# Altium PCB Copy of GameBoard_V1I1_083018.PcbDoc (part 18 of 21)
Units mil, origin at the board's own origin, x right, y up, seen from the top; angles counter-clockwise.
Board outline 7165.35 x 2763.78 mil, 12 copper layers (L1, L2, L3, L4, L5 (PWR), L6 (PWR), L7 (PWR), L8 (PWR), L9, L10, L11, L12), stack 61.575 mil thick; 1542 components, 1068 nets, 5447 pads, 3797 vias.
Unrouted connection lines stored in the file: 105.
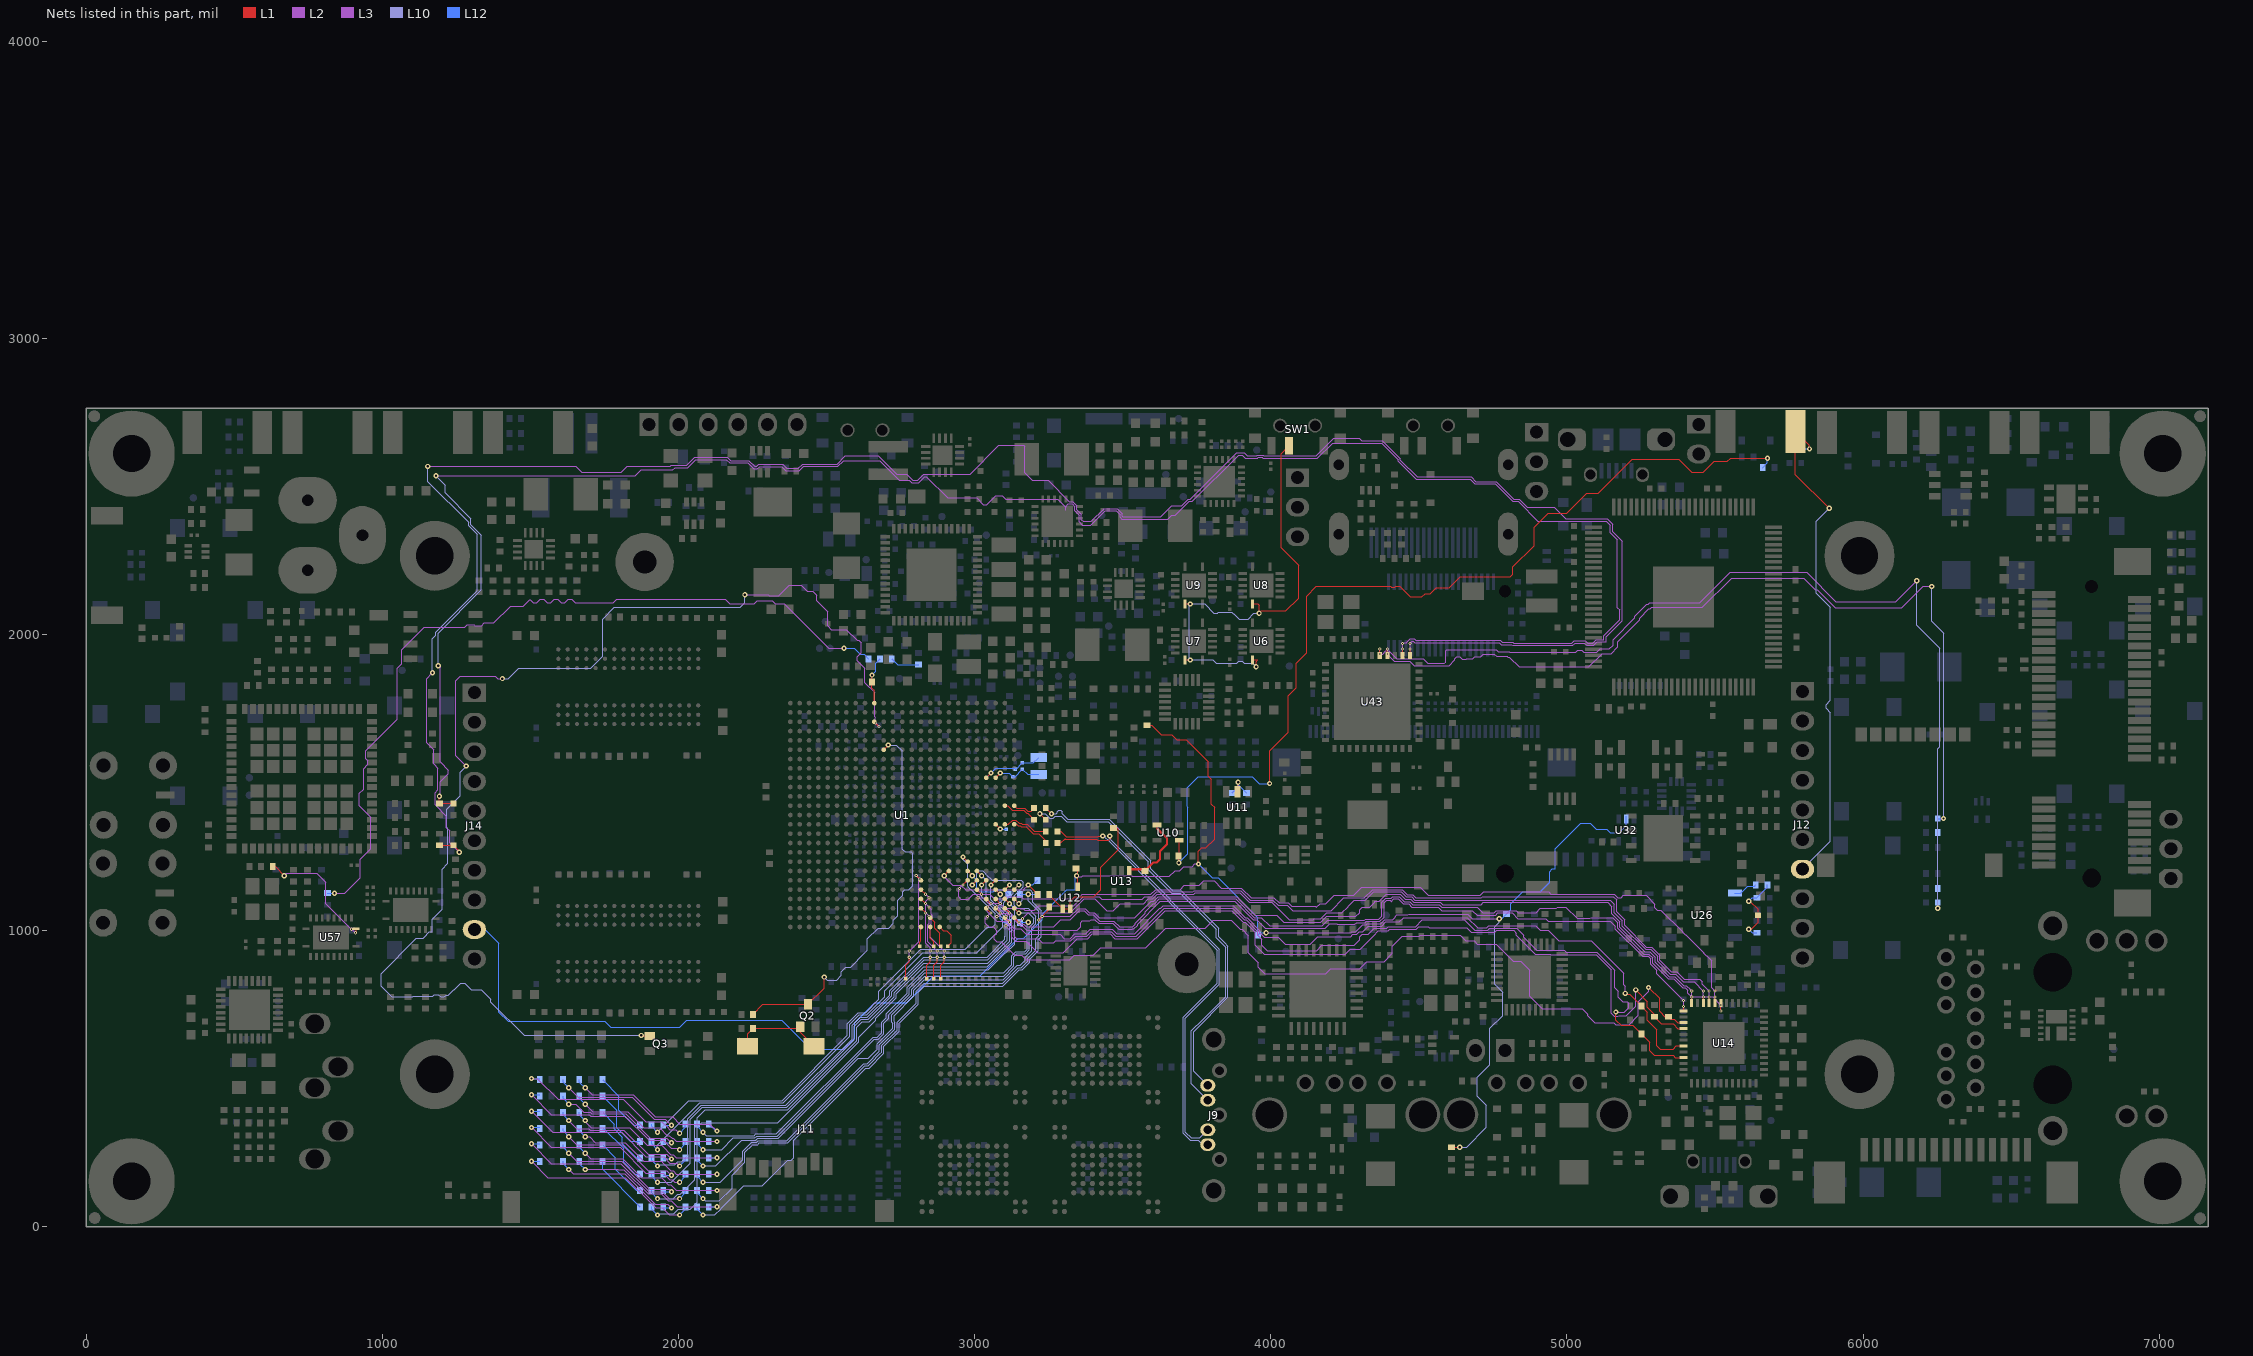
[diagram p28: the nets of this part, all layers, seen from the top]

## Via types
v1: diameter 17.72, hole 7.87, L1 to L12, 1936 vias
v2: diameter 17.72, hole 7.87, L1 to L12, tented both sides, 999 vias
v3: diameter 10.63, hole 3.94, L1 to L2, 337 vias
v4: diameter 10.63, hole 3.94, L2 to L3, 335 vias
v5: diameter 10.63, hole 3.94, L10 to L11, 96 vias
v6: diameter 10.63, hole 3.94, L11 to L12, 94 vias

## Nets (pads, with @x,y where several pads share a name; then routed paths per layer and width w, separated by ;. In a path a pad name is that pad's centre, name@x,y a point inside that pad or via, vN(x,y) a via of type N, cw(c..) or ccw(c..) an arc to the next point about the centre after c; other vN are vias at no path point) (continued)
RGMII_RXD1: R136.1 U1.B23 U14.31 | length 2799.2
  L1 w3.66: U1.B23@3102.36,1074.8 v3(3118.11,1059.06)
  L1 w3.94: v1(5196.85,787.4) 5199.8,784.45 5211.61,784.45 R136.1@5251.97,744.09 5271.65,724.41 5271.65,696.85 5303.15,665.35 5303.15,610.24 5314.96,598.43 5358.27,598.43 5369.68,609.84 U14.31@5394.09,609.84
  L3 w3.94: v4(3106.3,1047.24) 3106.3,1042.75 3125.39,1023.66 3125.39,1014.99 3134.69,1005.7 3155.72,1005.7 3174.21,987.2 3288.39,987.2 3303.15,972.44 3322.16,972.44 3337.91,988.19 3375.37,988.19 3391.11,1003.94 3464.41,1003.94 3480.16,988.19 3540.05,988.19 3625.98,1074.13 3628.01,1074.13 3636.56,1082.68 3874.13,1082.68 3913.5,1043.31 3919.91,1043.31 3963.58,999.63 3963.58,991.92 3978.14,977.36 4025.38,977.36 4049,953.74 4133.86,953.74 4159.45,979.33 4269.48,979.33 4277.35,987.2 4290.66,987.2 4298.54,995.08 4310.04,995.08 4329.72,1014.76 4375.21,1014.76 4388.99,1028.54 4434.06,1028.54 4448.82,1043.31 4664.16,1043.31 4698.61,1008.86 4729.33,1008.86 4736.22,1015.75 4894.89,1015.75 4910.64,1000 4937.01,1000 4972.44,964.57 5082.68,964.57 5191.93,855.31 5191.93,815.94 5196.85,811.02 v1(5196.85,787.4)
  L2 w3.94: v4(3106.3,1047.24) v3(3118.11,1059.06)
RGMII_RXD2: R135.1 U1.B24 U14.28 | length 2932.5
  L1 w3.66: U1.B24@3102.36,1043.31 v3(3118.11,1027.56)
  L1 w3.94: v1(5232.28,799.21) 5271.65,759.84 5271.65,740.16 5295.28,716.54 R135.1@5295.28,708.66 5318.9,685.04 5358.27,685.04 5374.41,668.9 U14.28@5394.09,668.9
  L3 w3.94: v4(3106.3,1015.75) 3106.3,1011.81 3122.05,996.06 3122.05,995.51 3125.39,992.16 3125.39,977.64 3139.46,963.58 3174.21,963.58 3212.6,925.2 3299.21,925.2 3346.46,972.44 3381.89,972.44 3397.64,988.19 3457.89,988.19 3473.64,972.44 3548.6,972.44 3643.08,1066.93 3867.61,1066.93 3906.98,1027.56 3913.39,1027.56 3947.83,993.11 3947.83,950.4 3977.96,920.28 4252.18,920.28 4268.7,936.8 4302.94,936.8 4347.44,981.3 4347.44,982.49 4363.3,998.35 4396.66,998.35 4402.25,1003.94 4491.45,1003.94 4499.32,1011.81 4531.5,1011.81 4534.45,1008.86 4661.42,1008.86 4677.17,993.11 4756.89,993.11 4763.78,1000 4820.09,1000 4829.72,990.37 4829.72,983.21 4892.66,920.28 4943.12,920.28 4946.08,917.32 5099.1,917.32 5149.61,866.82 5149.61,720.47 5150.59,719.49 5150.59,718.29 5159.24,709.65 5171.47,709.65 5174.42,712.6 5200.79,712.6 5232.28,744.09 v1(5232.28,799.21)
  L2 w3.94: v4(3106.3,1015.75) v3(3118.11,1027.56)
RGMII_RXD3: R134.1 U1.D23 U14.27 | length 3085.8
  L1 w3.66: U1.D23@3039.37,1074.8 v3(3055.12,1059.06)
  L1 w3.94: v1(5275.59,807.09) 5276.78,807.09 5312.99,770.88 5312.99,726.38 5330.71,708.66 R134.1@5342.52,708.66 5350.39,700.79 5362.2,700.79 5374.41,688.58 U14.27@5394.09,688.58
  L3 w3.94: v4(3043.31,1047.24) 3035.43,1039.37 3035.43,1023.62 3047.24,1011.81 3062.22,1011.81 3074.8,999.23 3074.8,989.38 3066.93,981.51 3066.93,969.44 3074.8,961.57 3089.74,961.57 3134.97,916.34 3159.66,916.34 3174.42,901.57 3321.64,901.57 3336.4,916.34 3400.59,916.34 3425.2,940.94 3578.74,940.94 3644.99,1007.2 3778.85,1007.2 3806.41,1034.76 3866.37,1034.76 3897.19,1003.94 3902.93,1003.94 3924.21,982.65 3924.21,924.43 3957.68,890.96 3957.68,875.77 3980.1,853.35 4185.04,853.35 4202.76,871.06 4300.97,871.06 4324.59,894.68 4382.87,894.68 4410.43,922.24 4410.43,945.99 4444.76,980.31 4501.23,980.31 4505.17,984.25 4639.15,984.25 4658.83,964.57 4686.39,964.57 4697.22,953.74 4761.86,953.74 4818.95,896.65 4844.7,896.65 4875,866.35 4875,778.02 4916.8,736.22 5051.18,736.22 5070.87,716.54 5070.87,712.6 5094.49,688.98 5157.48,688.98 5164.37,682.09 5209.65,682.09 5240.42,712.86 5240.42,759.58 5275.59,794.76 v1(5275.59,807.09)
  L2 w3.94: v4(3043.31,1047.24) v3(3055.12,1059.06)
RGMII_RXDV: R132.1 U1.D22 U14.33 | length 3029.2
  L1 w3.66: U1.D22@3039.37,1106.3 v3(3055.12,1090.55)
  L1 w3.94: v1(5165.35,724.41) 5165.35,696.85 5183.07,679.13 5222.44,679.13 R132.1@5251.97,649.61 5279.53,622.05 5279.53,594.49 5295.28,578.74 5358.27,578.74 5366.54,570.47 U14.33@5394.09,570.47
  L3 w3.94: v4(3043.31,1078.74) 3043.31,1063.11 3054.53,1051.89 3054.53,1051.65 3074.68,1031.5 3106.42,1031.5 3117.52,1020.4 3117.52,1011.73 3133.86,995.39 3133.86,980.31 3142.72,971.46 3214.26,971.46 3228.04,957.68 3267.51,957.68 3274.4,964.57 3325.42,964.57 3341.17,980.31 3378.63,980.31 3394.38,996.06 3461.15,996.06 3476.9,980.31 3545.33,980.31 3639.82,1074.8 3870.87,1074.8 3910.24,1035.43 3916.65,1035.43 3955.71,996.37 3955.71,984.25 3969.49,970.47 3969.49,950.58 3987.98,932.09 4154.68,932.09 4172.4,949.8 4281.71,949.8 4300.2,968.29 4300.2,978.56 4308.85,987.2 4329.88,987.2 4349.57,1006.89 4390.96,1006.89 4396.86,1012.8 4489.17,1012.8 4511.81,1035.43 4653.54,1035.43 4687.99,1000.98 4732.59,1000.98 4739.48,1007.87 4830.71,1007.87 4854.33,984.25 4854.33,976.38 4897.64,933.07 4990.93,933.07 4997.82,926.18 5101.38,926.18 5161.42,866.14 5161.42,806.41 5173.23,794.6 5173.23,774.4 5188.77,758.86 5204.51,758.86 5208.66,754.71 5208.66,738.96 5194.11,724.41 v1(5165.35,724.41)
  L2 w3.94: v4(3043.31,1078.74) v3(3055.12,1090.55)
RGMII_TXCLK: R37.2 U14.24 | length 2621.3
  L1 w3.94: v3(3216.54,1035.43) 3251.97,1070.87 R37.2@3251.97,1078.74 ; U14.24@5421.26,755.12 v3(5421.26,775.59)
  L3 w3.94: v4(3228.35,1047.24) 3322.99,1047.24 3349.57,1073.82 3373.81,1073.82 3387.59,1060.04 3404.37,1060.04 3421.1,1043.31 3540.72,1043.31 3595.84,1098.43 3605.06,1098.43 3620.81,1114.17 3885.15,1114.17 3948.14,1051.18 4020.88,1051.18 4044.5,1027.56 4168.62,1027.56 4188.3,1047.24 4287.4,1047.24 4300.2,1060.04 4300.2,1069.11 4308.85,1077.76 4333.66,1077.76 4350.39,1094.49 4350.39,1099.25 4367.13,1099.25 4389.92,1122.05 4437.11,1122.05 4453.84,1105.31 4472.59,1105.31 4483.42,1094.49 4572.19,1094.49 4580.06,1086.61 4710.01,1086.61 4717.89,1094.49 5137.8,1094.49 5152.04,1080.24 5152.04,1056.78 5178.92,1029.89 5178.92,1011.4 5262.18,928.15 5280.35,928.15 5298.23,910.28 5298.23,892.1 5346.05,844.28 5364.54,844.28 5394.84,813.98 5403.08,813.98 5416.34,800.72 5416.34,800.2 v4(5421.26,795.28)
  L2 w3.94: v3(3216.54,1035.43) v4(3228.35,1047.24) ; v3(5421.26,775.59) v4(5421.26,795.28)
RGMII_TXD0: U1.C22 U14.19 | length 2954.4
  L1 w3.66: U1.C22@3070.87,1106.3 v3(3086.61,1090.55)
  L1 w3.94: v3(5519.69,728.35) U14.19@5519.69,755.12
  L3 w3.94: v4(3074.8,1078.74) 3087.21,1066.34 3114.21,1066.34 3159.1,1021.44 3166.34,1021.44 3174.99,1012.8 3267.6,1012.8 3291.34,1036.54 3323.42,1036.54 3352.83,1065.94 3369.56,1065.94 3383.34,1052.17 3401.11,1052.17 3421.78,1031.5 3470.26,1031.5 3489.94,1011.81 3529.59,1011.81 3530.57,1012.8 3533.67,1012.8 3542.32,1021.44 3542.32,1024.55 3576.15,1058.38 3576.15,1062.99 3603.71,1090.55 3608.33,1090.55 3624.07,1106.3 3881.89,1106.3 3944.88,1043.31 3968.5,1043.31 3996.06,1015.75 4173.23,1015.75 4191.93,1034.45 4316,1034.45 4319.94,1038.39 4365.16,1038.39 4375,1048.23 4375,1095.99 4388.26,1109.25 4407.01,1109.25 4407.4,1108.86 4412.71,1114.17 4433.85,1114.17 4450.58,1097.44 4469.33,1097.44 4480.16,1086.61 4568.92,1086.61 4576.8,1078.74 4696.85,1078.74 4715.55,1060.04 4754.92,1060.04 4761.81,1066.93 4829.51,1066.93 4836.4,1060.04 4895.88,1060.04 4910.64,1074.8 4964.57,1074.8 4968.5,1078.74 4996.06,1078.74 5034.45,1040.35 5076.98,1040.35 5079.93,1043.31 5154.38,1043.31 5171.05,1026.63 5171.05,1008.14 5258.92,920.28 5277.09,920.28 5290.35,907.01 5290.35,888.84 5342.79,836.4 5361.28,836.4 5391.58,806.1 5399.82,806.1 5408.46,797.45 5408.46,788.39 5421.26,775.59 5492.13,775.59 v4(5519.69,748.03)
  L2 w3.94: v4(3074.8,1078.74) v3(3086.61,1090.55) ; v3(5519.69,728.35) v4(5519.69,748.03)
RGMII_TXD1: U1.F20 U14.20 | length 2998.3
  L1 w3.66: v3(2960.63,1153.54) U1.F20@2976.38,1169.29
  L1 w3.94: U14.20@5500,755.12 v3(5500,775.59)
  L3 w3.94: v4(2948.82,1141.73) 2945.87,1138.78 2945.87,1113.19 2953.74,1105.31 2979.33,1105.31 2996.06,1122.05 3051.18,1122.05 3065.94,1107.28 3092.73,1107.28 3099.62,1114.17 3158,1114.17 3164.89,1107.28 3348.79,1107.28 3363.56,1122.05 3429.13,1122.05 3595.28,1122.05 3611.03,1137.8 3693.56,1137.8 3708.33,1152.56 3759.02,1152.56 3773.76,1167.3 3809.08,1167.3 3833.66,1142.72 3901.15,1142.72 3933.63,1110.24 4010.46,1110.24 4027.92,1092.77 4059.02,1092.77 4070.1,1081.69 4150.43,1081.69 4154.12,1078.01 4166.66,1090.55 4186.39,1090.55 4213.95,1118.11 4279.53,1118.11 4307.09,1145.67 4503.94,1145.67 4531.5,1118.11 4708.1,1118.11 4719.91,1129.92 4938.34,1129.92 4946.22,1122.05 5160.22,1122.05 5171.05,1111.22 5183.28,1111.22 5190.17,1118.11 5267.72,1118.11 5296.65,1089.18 5296.26,1088.79 5296.26,1076.56 5304.91,1067.91 5317.14,1067.91 5317.53,1068.3 5390.75,995.08 5390.75,993.88 5399.4,985.24 5400.59,985.24 5461.61,924.21 5461.61,923.02 5470.26,914.37 5471.46,914.37 5488.19,897.64 5488.19,807.09 v4(5500,795.28)
  L2 w3.94: v4(2948.82,1141.73) v3(2960.63,1153.54) ; v3(5500,775.59) v4(5500,795.28)
RGMII_TXD2: U1.E21 U14.21 | length 2852.8
  L1 w3.66: U1.E21@3007.87,1137.8 v3(3023.62,1122.05)
  L1 w3.94: U14.21@5480.32,755.12 v3(5480.32,775.59)
  L3 w3.94: v4(3011.81,1110.24) 3027.44,1110.24 3046.14,1091.54 3085.63,1091.54 3102.36,1074.8 3153.54,1074.8 3154.53,1073.82 3163.6,1073.82 3169.89,1067.52 3201.38,1067.52 3216.54,1082.68 3335.32,1082.68 3366.82,1114.17 3421.26,1114.17 3430.12,1105.31 3565.94,1105.31 3574.8,1114.17 3598.54,1114.17 3614.29,1129.92 3736.9,1129.92 3741.82,1134.84 3897.89,1134.84 3930.37,1102.36 4007.2,1102.36 4024.66,1084.9 4055.76,1084.9 4073.78,1066.87 4203.47,1066.87 4246.84,1110.24 4316.31,1110.24 4343.87,1137.8 4443.63,1137.8 4460.36,1121.06 4479.12,1121.06 4489.94,1110.24 4711.36,1110.24 4715.3,1114.17 5156.96,1114.17 5167.79,1103.35 5167.79,1063.3 5194.67,1036.42 5194.67,1017.93 5268.7,943.9 5286.88,943.9 5313.98,916.8 5313.98,898.62 5352.57,860.03 5371.06,860.03 5396.44,834.65 5448.82,834.65 5456.69,826.77 5456.69,818.9 v4(5480.32,795.28)
  L2 w3.94: v4(3011.81,1110.24) v3(3023.62,1122.05) ; v3(5480.32,775.59) v4(5480.32,795.28)
RGMII_TXD3: U1.A24 U14.22 | length 2700.7
  L1 w3.66: U1.A24@3133.86,1043.31 v3(3149.61,1027.56)
  L1 w3.94: U14.22@5460.63,755.12 v3(5460.63,775.59)
  L3 w3.94: v4(3161.42,1039.37) 3181.1,1059.06 3322.83,1059.06 3370.08,1106.3 3406.5,1106.3 3445.87,1066.93 3468.5,1066.93 3492.13,1090.55 3570.87,1090.55 3586.61,1106.3 3601.8,1106.3 3617.55,1122.05 3740.16,1122.05 3745.08,1126.97 3894.63,1126.97 3927.11,1094.49 4003.94,1094.49 4062.01,1036.42 4143.91,1036.42 4146.86,1039.37 4169.29,1039.37 4188.92,1059 4240.1,1059 4260.83,1079.72 4260.83,1080.92 4282.27,1102.36 4319.57,1102.36 4347.13,1129.92 4440.37,1129.92 4457.1,1113.19 4475.85,1113.19 4486.68,1102.36 5145.67,1102.36 5159.91,1088.12 5159.91,1060.04 5186.8,1033.16 5186.8,1014.66 5265.44,936.02 5283.62,936.02 5306.1,913.54 5306.1,895.36 5349.31,852.15 5367.8,852.15 5393.18,826.77 5429.13,826.77 v4(5460.63,795.28)
  L2 w3.94: v3(3149.61,1027.56) v4(3161.42,1039.37) ; v3(5460.63,775.59) v4(5460.63,795.28)
RGMII_TXEN: U1.C23 U14.25 | length 2783
  L1 w3.66: U1.C23@3070.87,1074.8 v3(3086.61,1059.06)
  L1 w3.94: U14.25@5394.09,727.95 v3(5394.09,743.7)
  L3 w3.94: v4(3074.8,1047.24) 3082.68,1047.24 3093.9,1058.46 3110.95,1058.46 3155.84,1013.57 3163.08,1013.57 3175.66,1000.98 3347.44,1000.98 3358.27,1011.81 3358.27,1026.44 3364.31,1032.48 3389.55,1032.48 3393.7,1036.63 3405.51,1036.63 3418.52,1023.62 3467,1023.62 3486.68,1003.94 3532.85,1003.94 3533.83,1004.92 3536.94,1004.92 3550.2,1018.18 3550.2,1021.29 3627.34,1098.43 3878.63,1098.43 3941.62,1035.43 3952.76,1035.43 3981.3,1006.89 3990.37,1006.89 3990.61,1006.65 4183.81,1006.65 4199.8,1022.64 4222.65,1022.64 4225.01,1020.28 4284.06,1020.28 4290.35,1026.57 4319.26,1026.57 4323.2,1030.51 4368.42,1030.51 4382.87,1044.97 4382.87,1092.73 4391.52,1101.38 4403.75,1101.38 4407.4,1097.73 4415.97,1106.3 4430.58,1106.3 4447.32,1089.57 4466.07,1089.57 4476.9,1078.74 4565.66,1078.74 4577.47,1066.93 4681.1,1066.93 4696.85,1051.18 4759.17,1051.18 4767.04,1059.06 4814.96,1059.06 4834.65,1039.37 4929.13,1039.37 4937.01,1031.5 5145.67,1031.5 5163.18,1013.99 5163.18,1004.88 5255.65,912.4 5273.83,912.4 5282.48,903.75 5282.48,885.58 5303.15,864.91 5303.15,854.33 v4(5394.09,763.39)
  L2 w3.94: v4(3074.8,1047.24) v3(3086.61,1059.06) ; v3(5394.09,743.7) v4(5394.09,763.39)
RST_BTN_HDR: J12.7 R425.1 R426.1 R427.2 SW23.2 | length 1822.7
  L1 w3.94: v1(5818.9,2625.98) 5818.9,2637.8 SW23.2@5771.65,2685.04 5771.65,2539.37 v1(5885.83,2425.2)
  L10 w3.94: J12.7@5795.28,1207.09 5889.76,1301.57 5889.76,1735.03 5875,1749.79 5875,1762.02 5889.76,1776.78 5889.76,2090.55 5842.52,2137.8 5842.52,2381.89 v1(5885.83,2425.2)
  L12 w3.94: R425.1@5791.34,2728.35 R427.2@5791.34,2625.98 v1(5818.9,2625.98)
RSTINn: R88.1 R429.2 U10.1 | length 3239.8
  L1 w3.94: v1(3689.85,1228.35) 3688.98,1229.22 R88.1@3688.98,1251.97 3690.94,1253.94 U10.1@3690.94,1305.12 ; v1(3996.06,1496.06) 3996.06,1606.3 4059.06,1669.29 4059.06,1792.53 4086.61,1820.09 4086.61,1902.77 4121.23,1937.39 4121.23,2129.11 4153.54,2161.42 4404.32,2161.42 4407.27,2158.46 4419.5,2158.46 4422.45,2161.42 4435.81,2161.42 4471.25,2125.98 4510.62,2125.98 4521.44,2136.81 4538.39,2136.81 4559.06,2157.48 4603.35,2157.48 4639.76,2193.9 4809.26,2193.9 4817.91,2202.55 4817.91,2227.36 4889.76,2299.21 4889.76,2362.2 4937.01,2409.45 5000,2409.45 5066.93,2476.38 5106.3,2476.38 5220.47,2590.55 5377.95,2590.55 5421.26,2547.24 5460.63,2547.24 5497.05,2583.66 5541.55,2583.66 5552.38,2594.49 v1(5677.17,2594.49)
  L12 w3.94: v1(3689.85,1228.35) 3720.47,1258.97 3720.47,1416.8 3717.52,1419.76 3717.52,1481.3 3755.91,1519.68 3938.27,1519.68 3961.89,1496.06 v1(3996.06,1496.06) ; R429.2@5661.42,2562.99 5677.17,2578.74 v1(5677.17,2594.49)
RSTINn_BUFF: R89.1 U10.4 U13.1 | length 260.8
  L1 w7.87: U13.1@3521.65,1206.69 R89.1@3576.77,1206.69 ; R89.1@3574.8,1208.66 R89.1@3576.77,1206.69 ; U10.4@3616.14,1356.3 3616.14,1344.49 3649.61,1311.02 3649.61,1291.34 3625.98,1267.72 3625.98,1240.16 3615.16,1229.33 3603.35,1229.33 3580.71,1206.69 R89.1@3576.77,1206.69
RSTOUTn: J14.9 R101.2 R189.2 R268.1 R271.2 R322.2 U12.4 U32.2 | length 6580.9
  L1 w3.94: R101.2@3342.52,1208.66 3348.43,1202.76 U12.4@3348.43,1147.64 ; R268.1@3582.68,1692.91 3598.43,1692.91 3629.92,1661.42 3665.35,1661.42 3682.58,1644.19 3714.07,1644.19 3789.37,1568.9 3789.37,1520.67 3799.21,1510.83 3799.21,1426.39 3810.04,1415.56 3810.04,1308.07 3780.41,1278.44 3766.63,1278.44 3755.91,1267.72 v1(3755.91,1224.41) ; R322.2@4610.24,267.72 v1(4637.8,267.72)
  L3 w3.94: v1(3344.49,1185.04) 3348.43,1181.1 3362.36,1181.1 3365.31,1184.06 3530.28,1184.06 3531.98,1182.36 3658.06,1182.36 3677.17,1201.46 3692.39,1201.46 3706.48,1215.55 3735.24,1215.55 3744.09,1224.41 v1(3755.91,1224.41) ; v1(3984.25,992.13) 4271.14,992.13 4274.09,995.08 4287.4,995.08 4311.02,1018.7 4322.53,1018.7 4326.46,1022.64 4371.95,1022.64 4385.73,1036.42 4411.63,1036.42 4420.28,1045.07 4420.28,1047.03 4425.41,1052.17 4462.81,1052.17 4465.76,1055.12 4665.35,1055.12 4681.1,1039.37 v1(4771.65,1039.37)
  L10 w3.94: v1(4637.8,267.72) 4661.42,267.72 4728.35,334.65 4728.35,409.45 4696.85,440.94 4696.85,503.94 4740.16,547.24 4740.16,669.29 4783.46,712.6 4783.46,791.34 4755.91,818.9 4755.91,1011.81 4771.65,1027.56 v1(4771.65,1039.37)
  L12 w3.94: J14.9@1330.71,1007.09 1343.31,1007.09 1393.7,956.69 1393.7,724.41 1425.2,692.91 1751.97,692.91 1771.65,673.23 2003.94,673.23 2027.56,696.85 2348.39,696.85 2446.82,598.43 2556.5,598.43 2594.49,636.41 2594.49,687.6 2662.79,755.91 2771.65,755.91 2862.2,846.46 3019.69,846.46 3145.67,972.44 3144.68,973.43 3166.34,973.43 3228.35,1035.43 3228.35,1055.39 3310.75,1137.8 3339.74,1137.8 3339.74,1180.3 v1(3344.49,1185.04) ; v1(3755.91,1224.41) 3803.15,1177.17 3822.16,1177.17 3956.69,1042.63 R271.2@3956.69,984.25 3964.57,992.13 v1(3984.25,992.13) ; v1(4771.65,1039.37) 4779.53,1039.37 R189.2@4795.28,1055.12 4810.53,1070.37 4810.53,1090.06 4850.39,1129.92 4909.45,1129.92 4941.93,1162.4 4941.93,1199.03 4950.58,1207.68 4959.65,1207.68 4960.63,1208.66 4960.63,1275.59 5047.24,1362.2 5078.74,1362.2 5099.41,1341.54 5134.84,1341.54 5145.67,1330.71 5177.17,1330.71 5200.79,1354.33 U32.2@5200.79,1375.98 U32.2@5200.79,1385.83
RSTOUTn_BUFF: R96.2 R98.2 U12.1 U12.2 | length 473.1
  L1 w3.94: R98.2@3251.97,1122.05 3251.97,1118.11 U12.1@3297.24,1072.83 U12.2@3322.83,1072.83 3322.83,1099.41 3337.6,1114.17 3401.57,1114.17 3425.2,1137.8 3425.2,1212.6 3484.25,1271.65 3484.25,1342.52 3480.31,1346.46
RSTOUTn_R: R92.1 R98.1 U1.H19 | length 417.4
  L1 w3.66: v2(2897.64,1185.04) U1.H19@2913.39,1200.79
  L1 w3.94: v2(3181.1,1153.54) R98.1@3212.6,1122.05
  L3 w3.94: v2(2897.64,1185.04) 2897.64,1181.78 2926.46,1152.95 2953.47,1152.95 2969.61,1136.81 3164.89,1136.81 3181.1,1153.03 v2(3181.1,1153.54)
  L12 w3.94: v2(3181.1,1153.54) 3196.85,1153.54 R92.1@3212.6,1169.29
RTC_XTALI: C94.1 R78.1 U1.D9 Y2.1 | length 207.4
  L1 w3.94: U1.D9@3039.37,1515.75 v1(3055.12,1531.5)
  L12 w3.94: v1(3055.12,1531.5) 3070.87,1547.24 3135.24,1547.24 C94.1@3137.8,1544.69 3140.55,1544.69 R78.1@3161.42,1565.55 3198.43,1565.55 Y2.1@3216.54,1583.66
RTC_XTALO: C95.1 R78.2 U1.C9 Y2.2 | length 174.9
  L1 w3.94: U1.C9@3070.87,1515.75 v1(3086.61,1531.5)
  L12 w3.94: v1(3086.61,1531.5) 3116.73,1531.5 C95.1@3128.54,1519.69 3136.42,1519.69 R78.2@3161.42,1544.69 3179.53,1526.58 Y2.2@3216.54,1526.58
SATA_C_RX_N: C88.1 U1.A14 | length 137
  L1 w3.94: U1.A14@3133.86,1358.27 3142.21,1358.27 3146.74,1353.74 3154.25,1353.74 3157.6,1350.39 3173.9,1350.39 3197.53,1326.77 3216.54,1326.77 3238.19,1305.12 3238.19,1297.24 C88.1@3240.16,1295.28
SATA_C_RX_P: C89.1 U1.B14 | length 159
  L1 w3.94: U1.B14@3102.36,1358.27 3114.37,1358.27 3128.15,1372.05 3139.57,1372.05 3150,1361.61 3157.52,1361.61 3160.86,1358.27 3177.17,1358.27 3200.79,1334.65 C89.1@3240.16,1334.65
SATA_C_TX_N: C90.1 U1.B12 | length 118
  L1 w3.94: U1.B12@3102.36,1421.26 3112.21,1421.26 3127.95,1405.51 3165.35,1405.51 3175.53,1395.33 3179.47,1395.33 C90.1@3200.79,1374.02
SATA_C_TX_P: C91.1 U1.A12 | length 78.6
  L1 w3.94: U1.A12@3133.86,1421.26 3141.73,1413.39 3168.62,1413.39 3178.8,1403.21 3190.61,1403.21 C91.1@3200.79,1413.39
SATA_REXT: R41.2 U1.C14 | length 43.3
  L1 w3.66: U1.C14@3070.87,1358.27 v2(3086.61,1342.52)
  L12 w3.66: v2(3086.61,1342.52) R41.2@3107.68,1342.52
SATA_RX_N: C88.2 J9.5 | length 1487.2
  L1 w3.94: C88.2@3279.53,1295.28 3291.34,1295.28 3305.46,1309.39 3306.13,1308.72 3411.76,1308.72 3416.34,1304.13 3453.74,1304.13 v2@3460.63,1311.02
  L10 w3.94: v2(3456.69,1318.9) 3456.69,1309 3658.44,1107.25 3660.74,1107.25 ; 3660.74,1104.95 3660.74,1102.36 3826.77,936.33 3826.77,818.9 3711.61,703.74 3711.61,319.21 3731.61,299.21 3759.84,299.21 J9.5@3787.4,326.77
SATA_RX_P: C89.2 J9.6 | length 1480.1
  L1 w3.94: C89.2@3279.53,1334.65 3291.34,1334.65 3309.39,1316.59 3415.02,1316.59 3417.32,1318.9 v2(3433.07,1318.9)
  L10 w3.94: v2(3433.07,1318.9) 3441.93,1318.9 3441.93,1312.78 3448.82,1305.89 3448.82,1305.74 3655.17,1099.38 ; 3653.88,1098.09 3818.9,933.07 3818.9,822.16 3703.74,707 3703.74,315.94 3728.35,291.34 3755.91,291.34 3775.59,271.65 J9.6@3775.59,258.66
SATA_TX_N: C90.2 J9.3 | length 1467.3
  L1 w3.94: v2(3220.47,1393.7) C90.2@3240.16,1374.02
  L10 w3.94: v2(3220.47,1393.7) 3238.96,1393.7 3253.73,1378.94 3265.96,1378.94 3272.85,1385.83 3292.01,1385.83 3310.71,1367.13 3451.77,1367.13 3586.61,1232.28 3586.61,1205.4 3666.03,1125.98 3693.9,1125.98 3815.94,1003.94 3815.94,974.88 3837.08,953.74 3837.6,953.74 3847.44,943.9 3847.44,776.88 3771.34,700.79 3732.28,661.73 3732.28,481.89 J9.3@3787.4,426.77
SATA_TX_P: C91.2 J9.2 | length 1395.4
  L1 w3.94: C91.2@3240.16,1413.39 v2(3259.84,1393.7)
  L10 w3.94: v2(3259.84,1393.7) 3275.59,1393.7 3279.53,1397.64 3279.53,1401.57 3283.46,1405.51 3291.34,1405.51 3295.28,1401.57 3295.28,1393.7 3313.98,1375 3455.03,1375 3594.49,1235.55 3594.49,1208.66 3669.29,1133.86 3697.16,1133.86 3823.82,1007.2 3823.82,978.14 3842.39,959.57 3842.91,959.57 3855.31,947.16 3855.31,773.62 3740.16,658.46 3740.16,524.02 J9.2@3787.4,476.77
SD1_CLK: R601.2 R602.2 U1.D20 | length 1750.7
  L1 w3.66: v2(3023.62,1153.54) U1.D20@3039.37,1169.29
  L10 w3.66: v1(1929.13,259.84) 1929.13,274.59 2072.14,417.6 2353.54,417.6 2578.46,642.52 2578.46,682.57 2610.48,714.59 2635.11,714.59 2696.85,776.33 2696.85,796.54 2825.51,925.2 3007.87,925.2 3095.59,1012.91 3095.59,1041.14 3023.62,1113.11 v2(3023.62,1153.54)
  L12 w3.66: R601.2@1909.45,287.4 1909.45,279.53 v1(1929.13,259.84)
SD1_CLK_BOOT: R601.1 R618.1 | length 225.1
  L12 w3.94: R618.1@1744.09,440.95 1791.34,393.7 1791.34,333.01 1836.95,287.4 R601.1@1870.08,287.4
SD1_CLK_WIFI: R572.1 R602.1 | length 463.5
  L3 w3.66: v1(1629.92,413.39) 1653.54,413.39 1681.1,385.83 1701.85,385.83 1706.91,380.77 1822.22,380.77 1904.05,298.94 1960.91,298.94 v1(1976.38,283.46)